# Altium PCB PCB1_done2.PcbDoc (part 1 of 3) (continued)
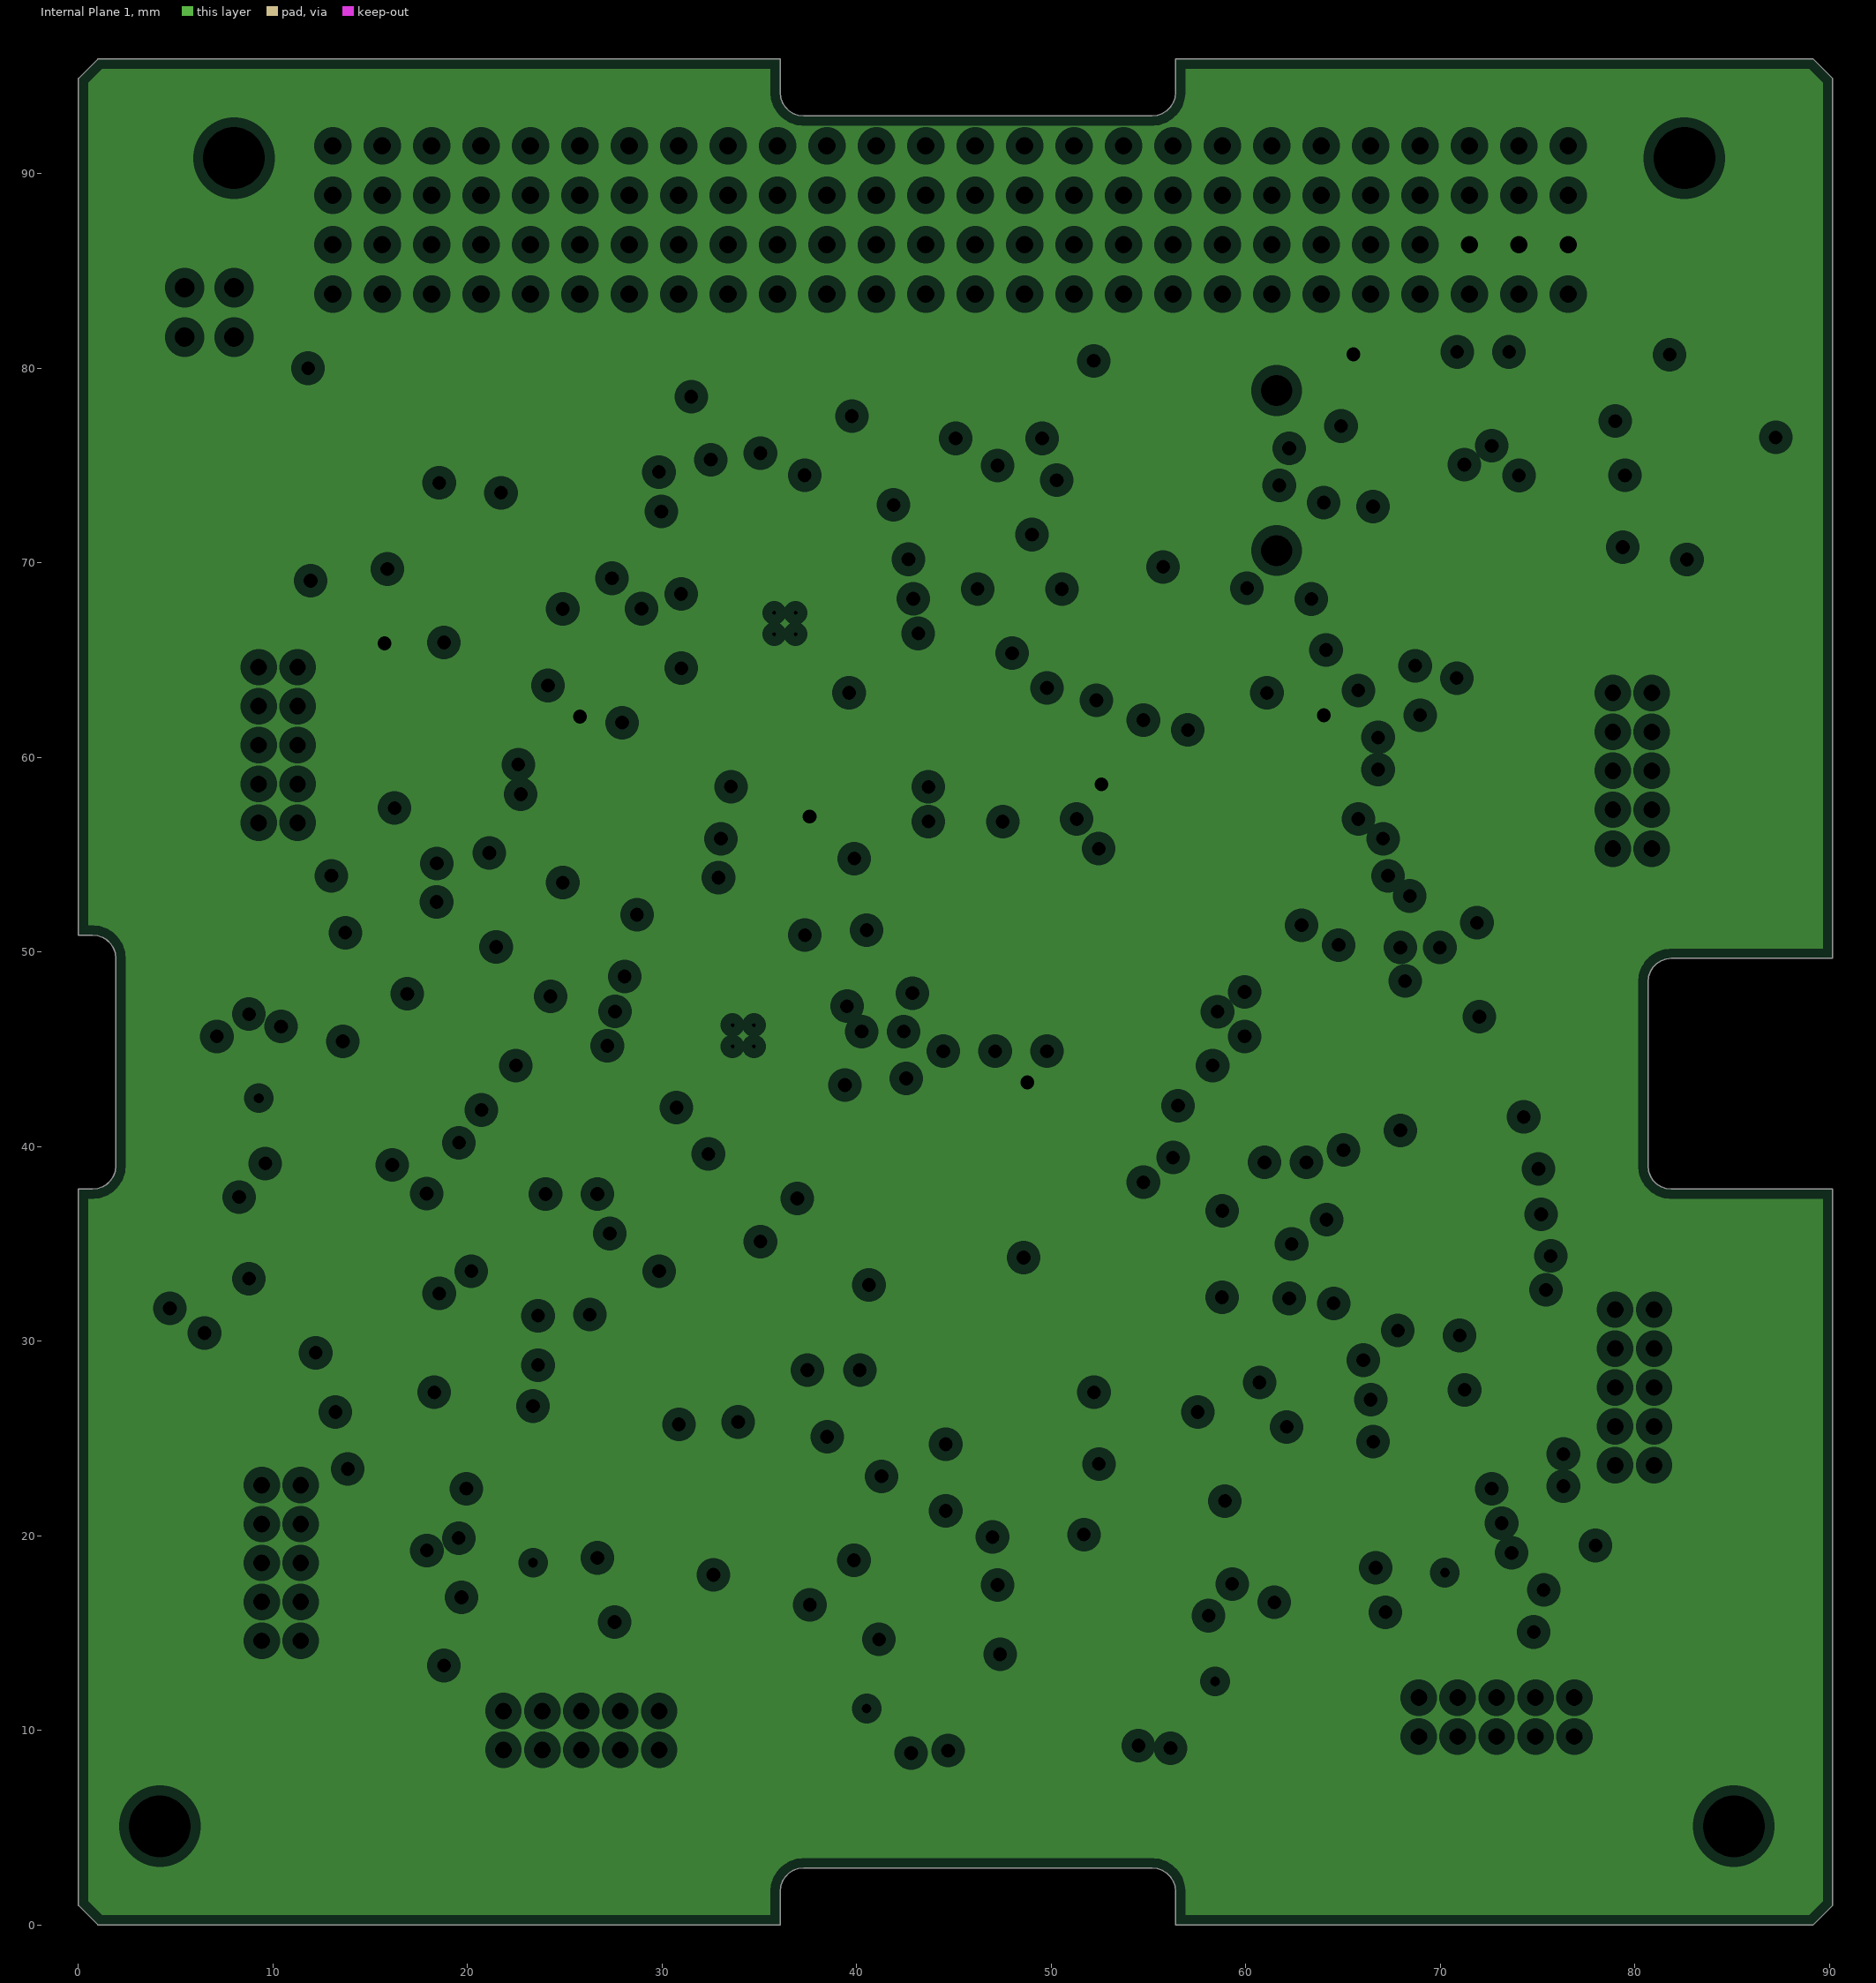
[diagram p4: Internal Plane 1, clearances drawn from the general rule]
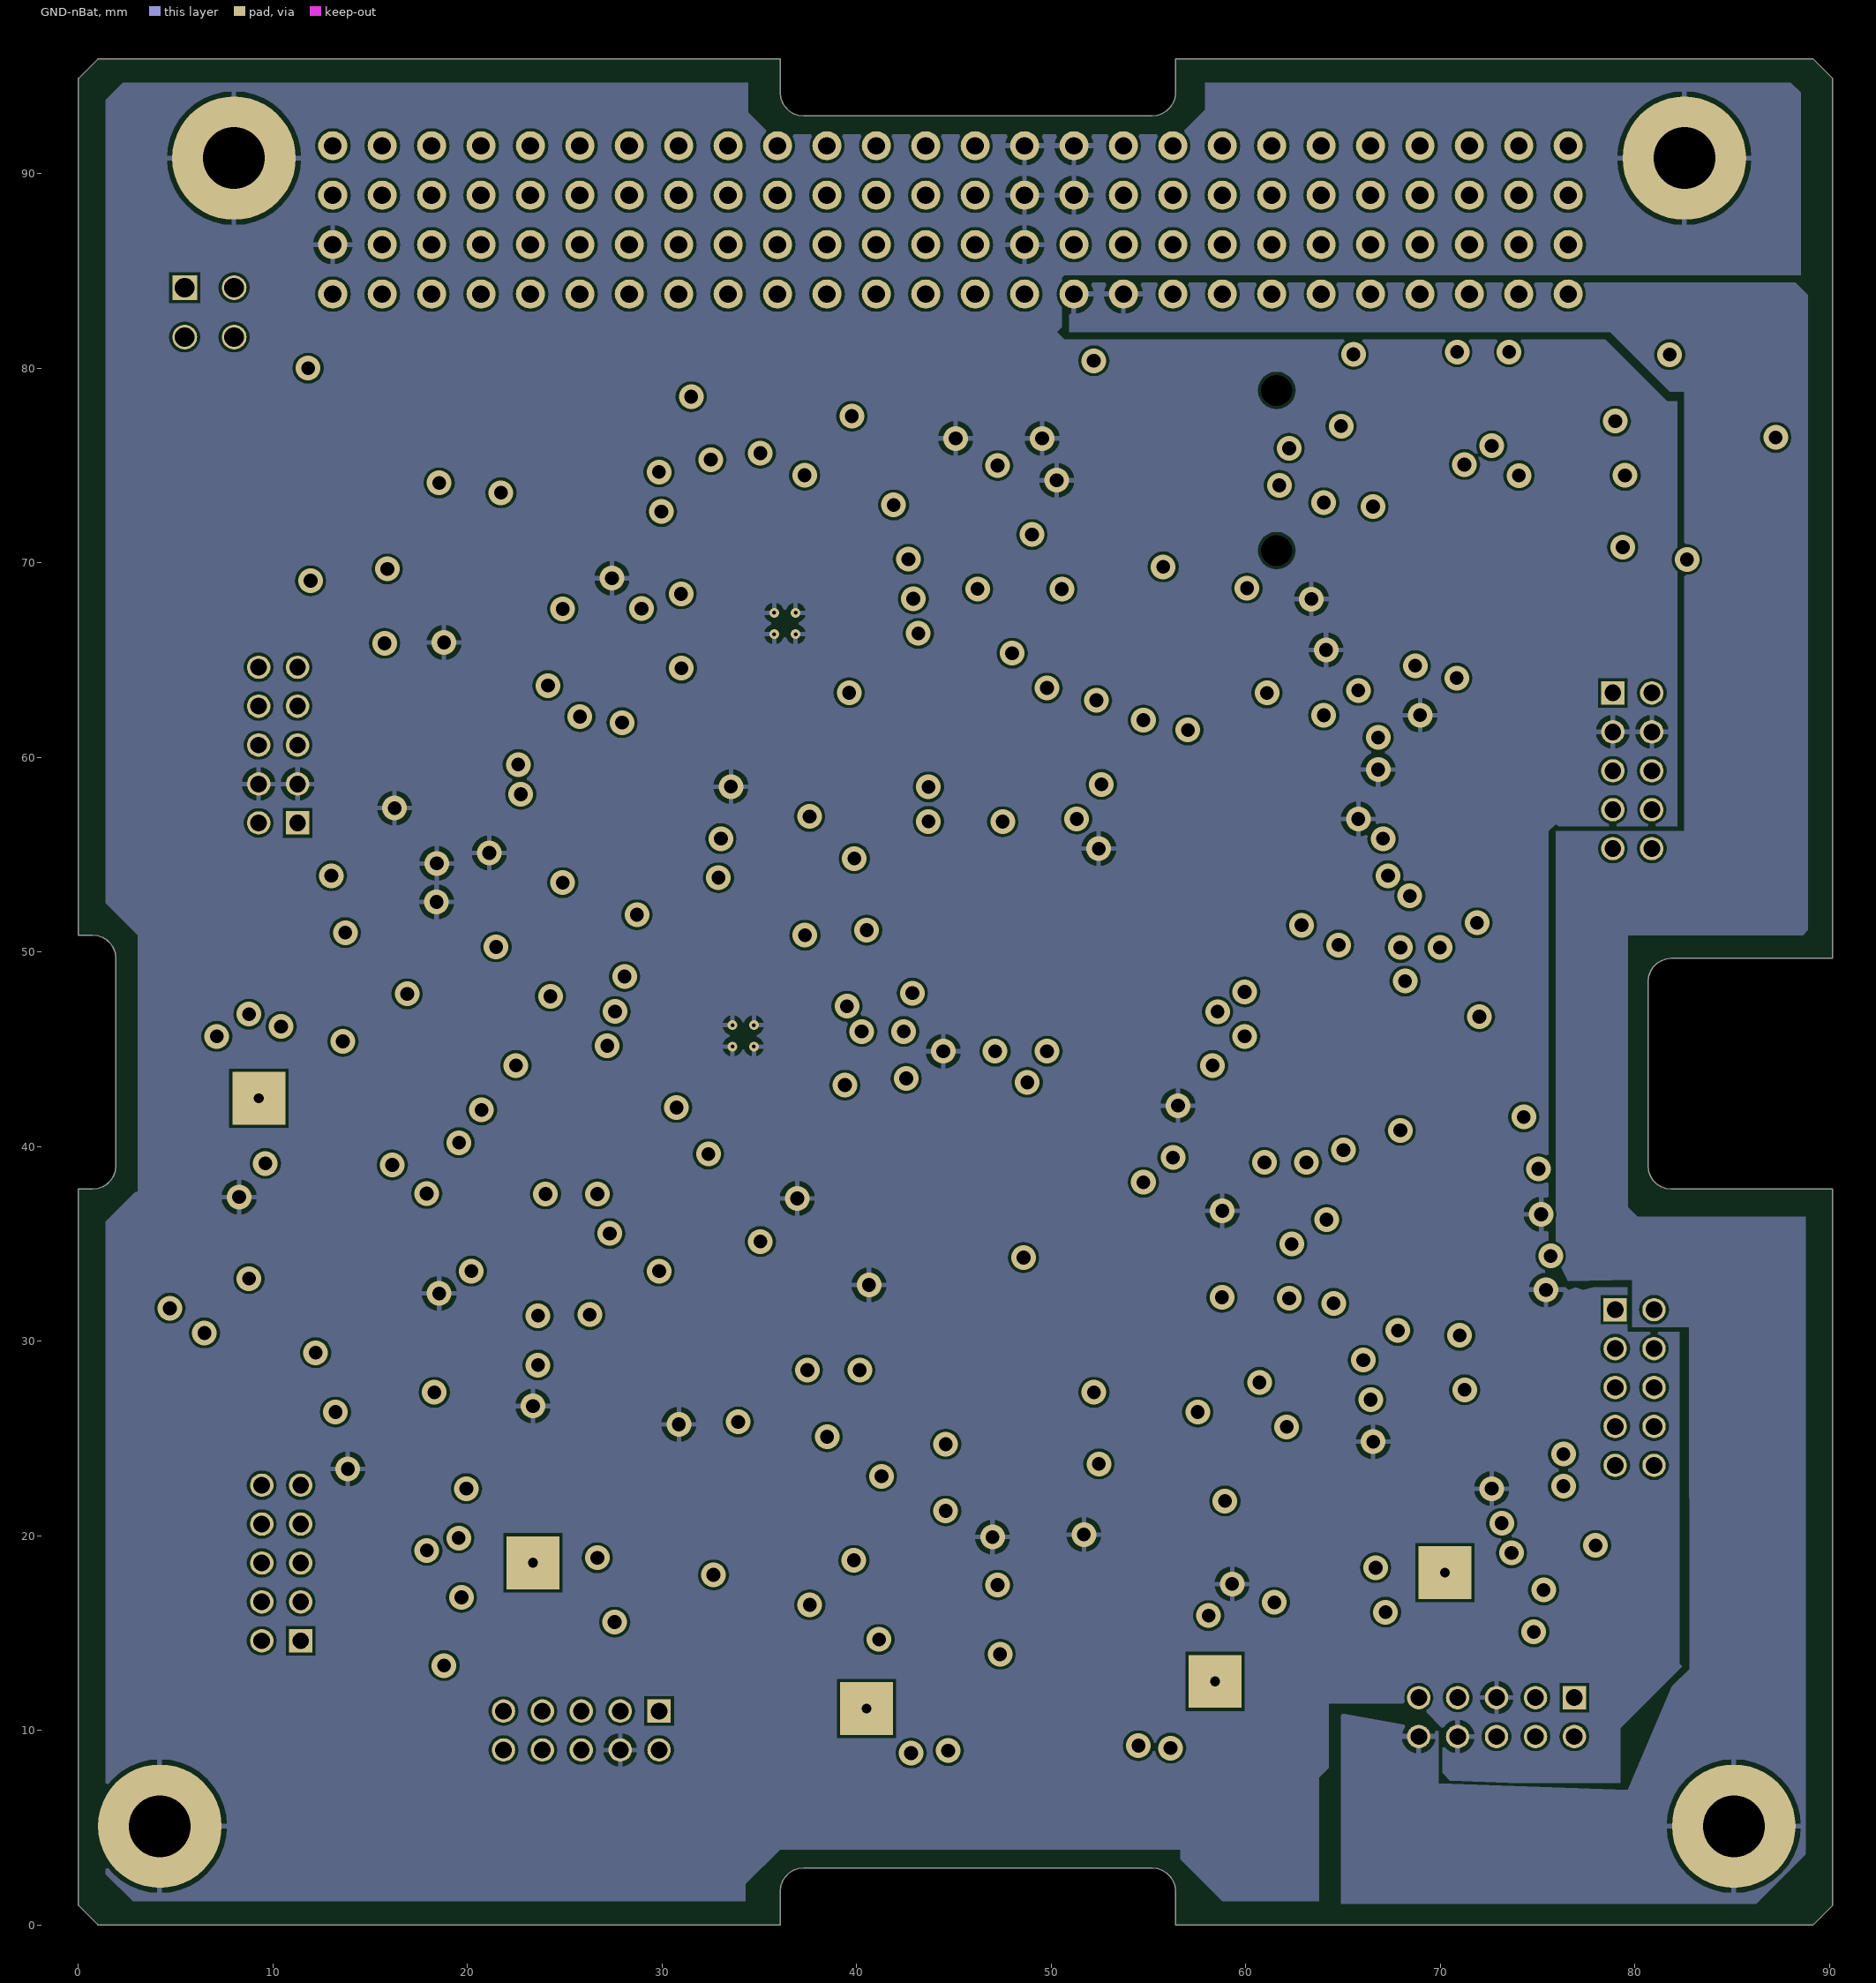
[diagram p5: GND-nBat]
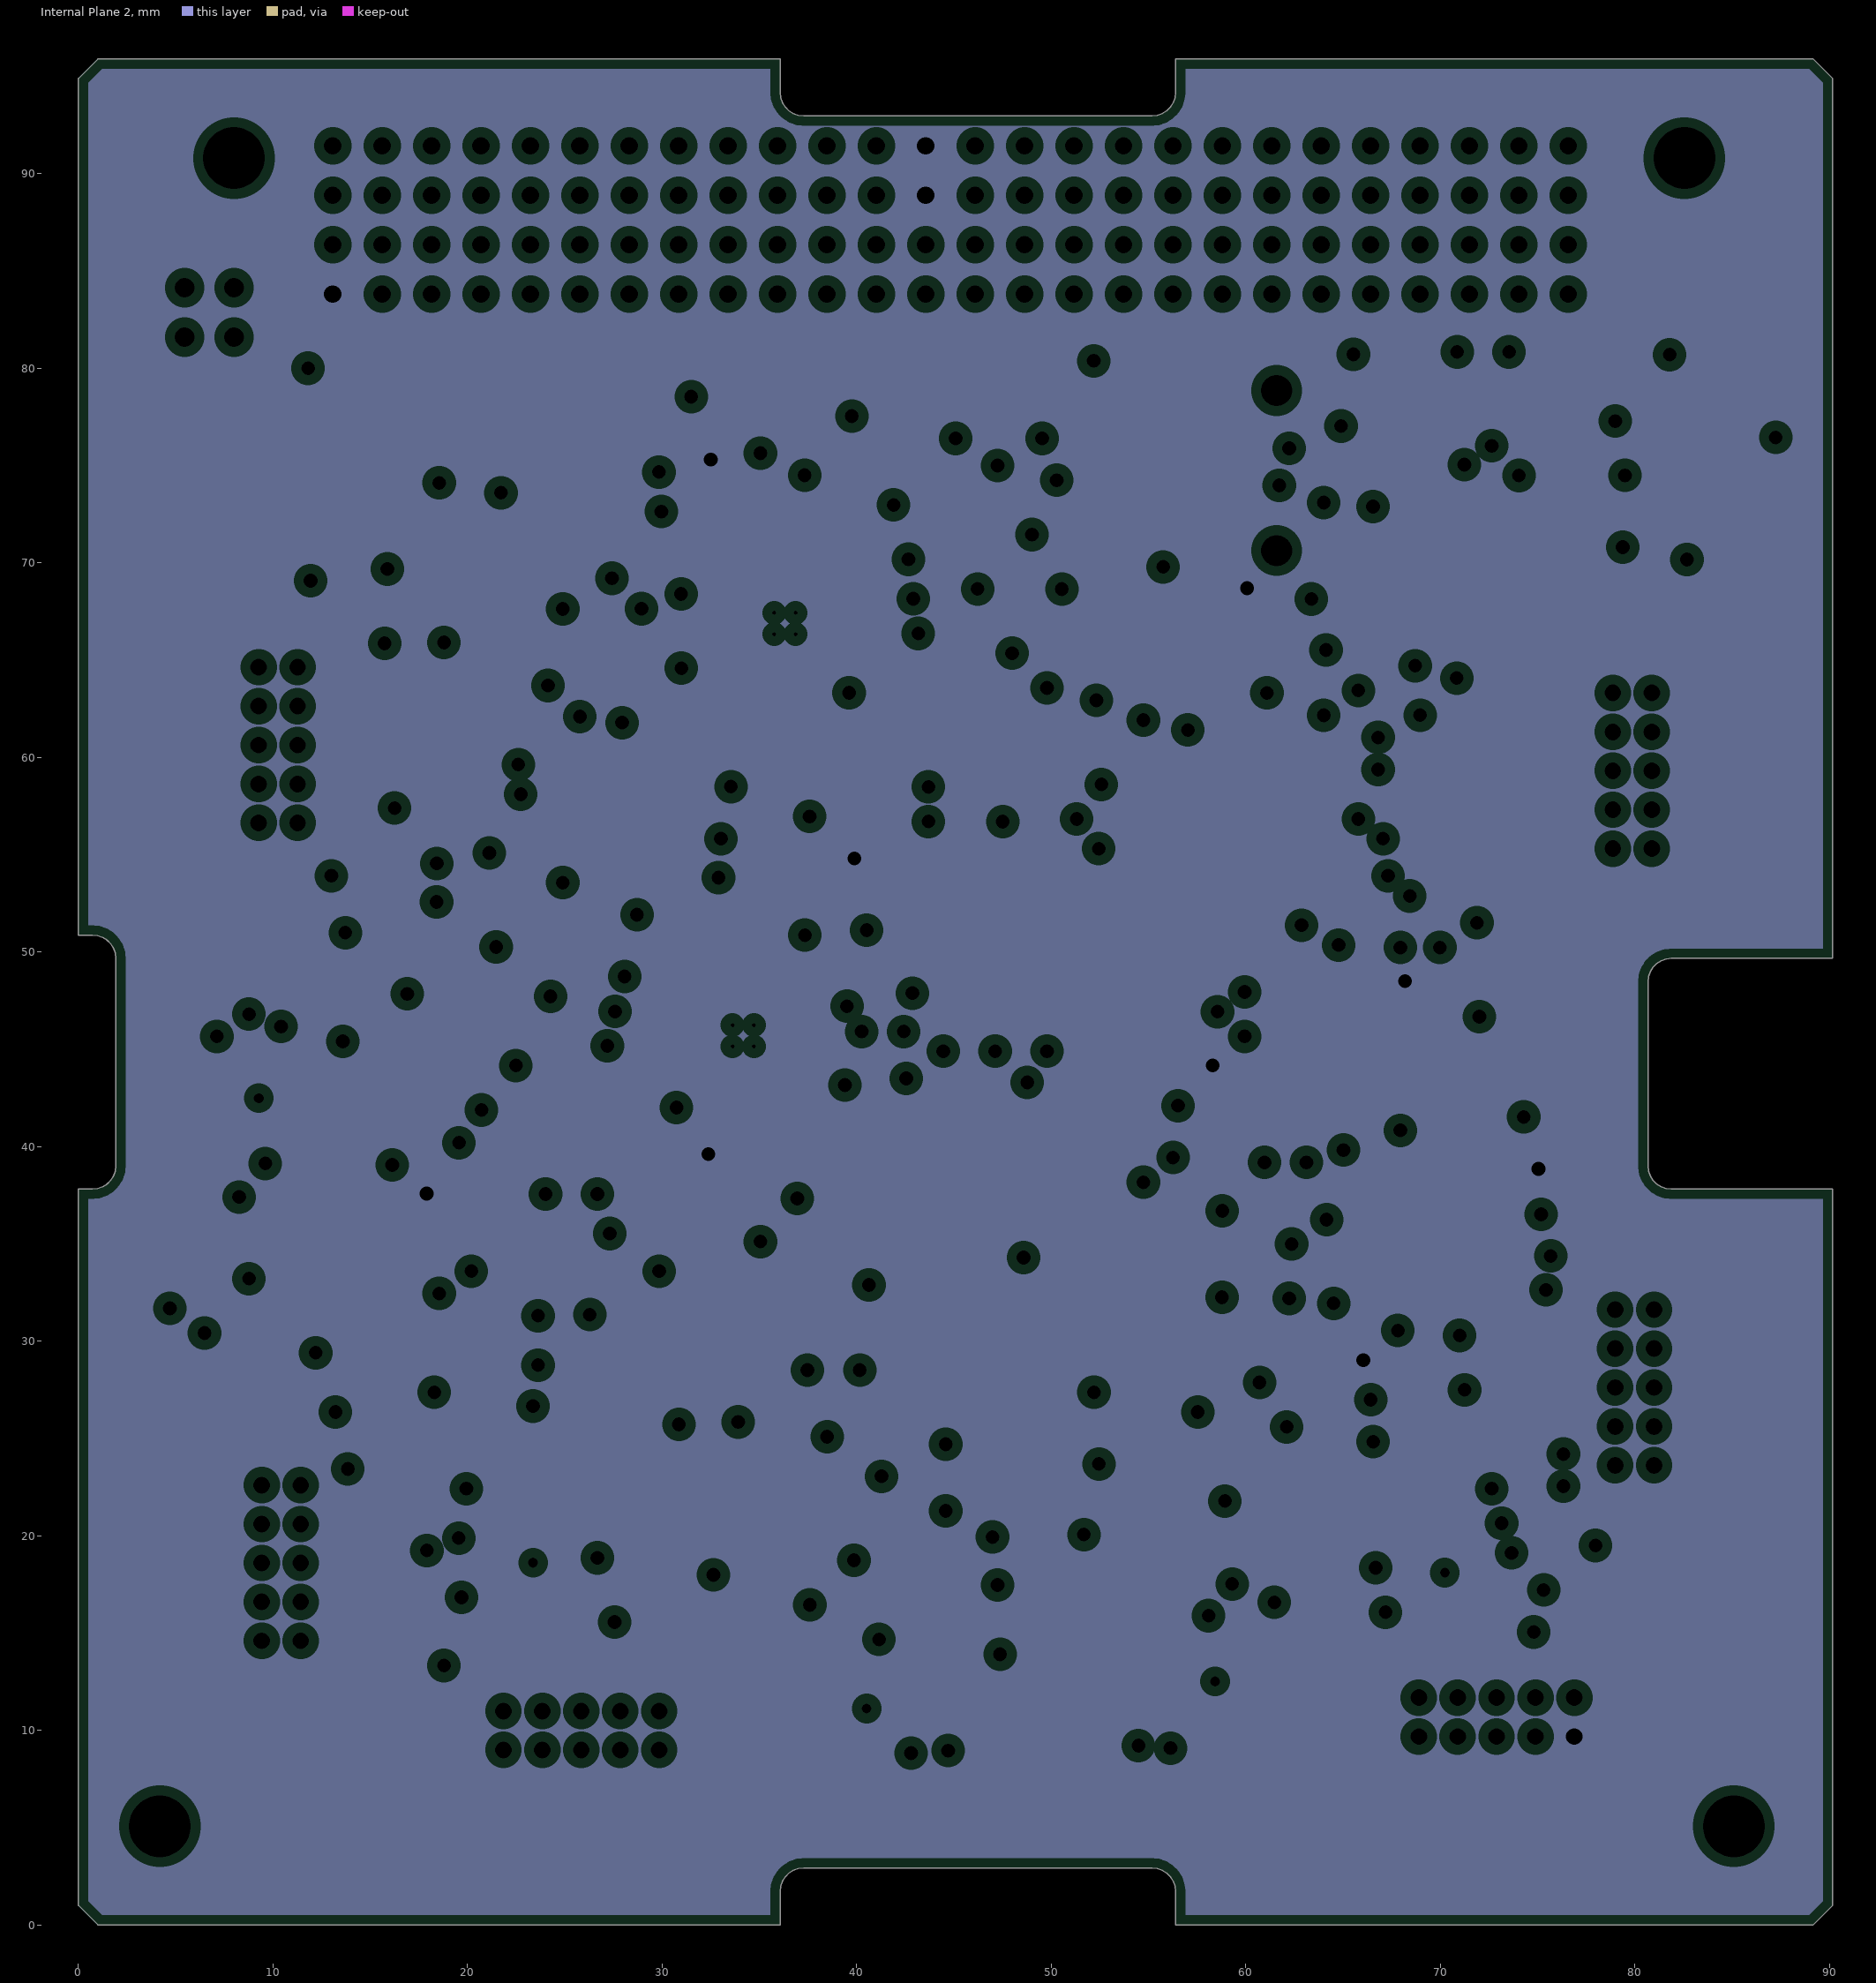
[diagram p6: Internal Plane 2, clearances drawn from the general rule]
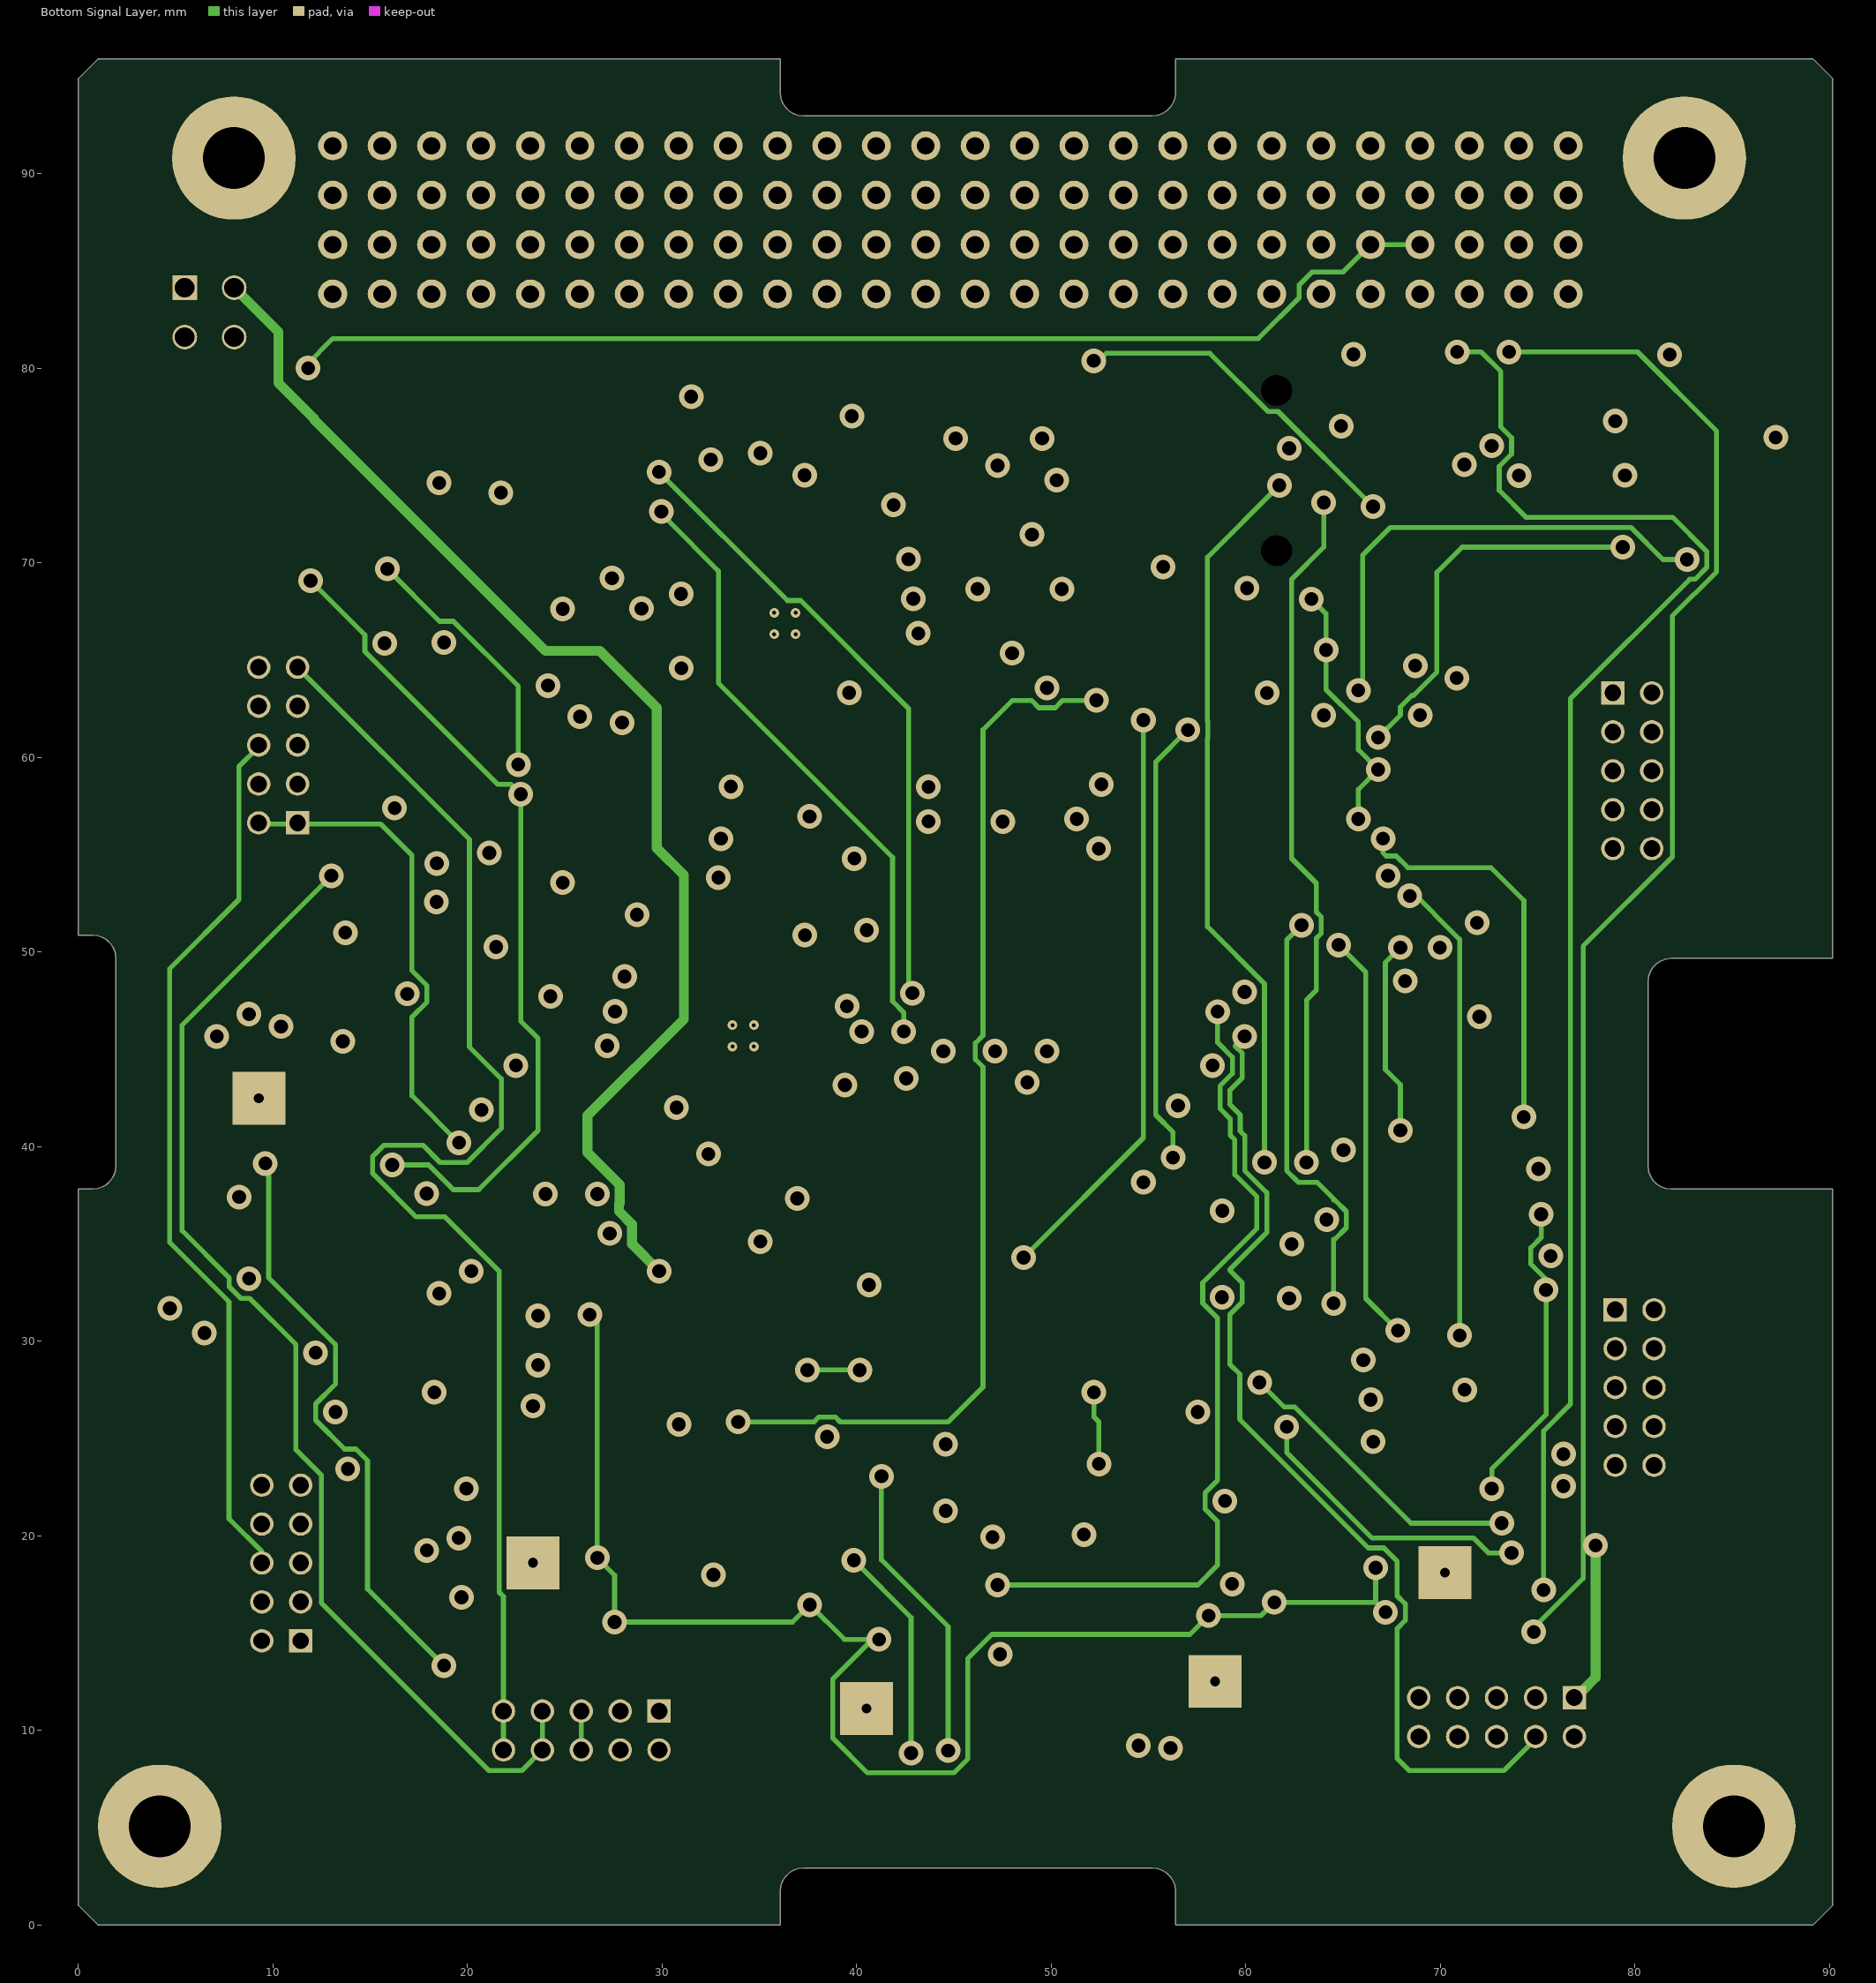
[diagram p7: Bottom Signal Layer]

## Layer stack, top to bottom
Top Solder: solder mask 0.0102, Solder Resist, Dk 3.5
Top Layer: signal copper 0.0356
Dielectric 1: core 0.1828, FR-4, Dk 4.2
Top Signal Layer: signal copper 0.036
Dielectric 6: core 0.1828, Dk 4.2
Vbat-chrg: signal copper 0.036
Dielectric 2: core 0.1828, Dk 4.2
Internal Plane 1: plane copper 0.036, net 3V3
Dielectric 7: core 0.1828, Dk 4.2
GND-nBat: signal copper 0.036
Dielectric 3: core 0.1828, Dk 4.2
Internal Plane 2: plane copper 0.036, net 5V
Dielectric 8: core 0.1828, Dk 4.2
Bottom Signal Layer: signal copper 0.036
Dielectric 5: core 0.1828, Dk 4.2
Bottom Layer: signal copper 0.0356
Bottom Solder: solder mask 0.0102, Solder Resist, Dk 3.5

## Board outline
89.178,95.898 56.398,95.898 56.398,94.178 56.368,93.911 56.279,93.657 56.136,93.43 55.946,93.24 55.719,93.097 55.465,93.008 55.198,92.978 37.278,92.978 37.011,93.008 36.757,93.097 36.53,93.24 36.34,93.43 36.197,93.657 36.108,93.911 36.078,94.178 36.078,95.898 1.008,95.898 0.008,94.898 0.008,50.878 0.728,50.878 0.995,50.848 1.249,50.759 1.476,50.616 1.666,50.426 1.809,50.199 1.898,49.945 1.928,49.678 1.928,39.018 1.898,38.751 1.809,38.497 1.666,38.27 1.476,38.08 1.249,37.937 0.995,37.848 0.728,37.818 0.008,37.818 0.008,1.008 1.008,0.008 36.078,0.008 36.078,1.728 36.108,1.995 36.197,2.249 36.34,2.476 36.53,2.666 36.757,2.809 37.011,2.898 37.278,2.928 55.198,2.928 55.465,2.898 55.719,2.809 55.946,2.666 56.136,2.476 56.279,2.249 56.368,1.995 56.398,1.728 56.398,0.008 89.178,0.008 90.178,1.008 90.178,37.818 81.878,37.818 81.611,37.848 81.357,37.937 81.13,38.08 80.94,38.27 80.797,38.497 80.708,38.751 80.678,39.018 80.678,48.478 80.708,48.745 80.797,48.999 80.94,49.226 81.13,49.416 81.357,49.559 81.611,49.648 81.878,49.678 90.178,49.678 90.178,94.898

## Design rules (kind name [scope] priority, off if disabled: settings)
Clearance [All] p1: gap=0.152
PlaneClearance [All] p1: clearance=0.508
PlaneConnect [All] p1: planeconnectstyle=Relief reliefexpansion=0.508 reliefentries=4 reliefconductorwidth=0.254 reliefairgap=0.254
PolygonConnect [All] p1: connectstyle=Relief reliefconductorwidth=0.254 reliefentries=4 polygonreliefangle="90 Angle" airgapwidth=0.254
RoutingVias [All] p1: holewidth=0.711 width=1.27 viastyle="Through Hole" minholewidth=0.711 minwidth=1.27 maxholewidth=0.711 maxwidth=1.27
SolderMaskExpansion [All] p1: expansion=0.102
Width [All] p1: maxlimit=0.254 minlimit=0.254 preferedwidth=0.254
27 further rules are at their usual default settings.

## Classes and differential pairs
net class X1_Nets: NetC1_2 NetC2_2
net class U85_Nets: 5V ARRAYNX.4.NEG NetQ88_1 NetQ88_3 NetR817_1 NetU85_4 SC5 SD5
net class U84_Nets: 5V ARRAYNX.4.NEG NetQ87_1 NetQ87_3 NetR814_1 NetU84_4 SC5 SD5
net class U83_Nets: 5V ARRAYNX.4.NEG NetQ86_1 NetQ86_3 NetR811_1 NetU83_4 NetU83_7 SC5
net class U82_Nets: 5V ARRAYNX.4.NEG ARRAYNZ.10.COM NetC82_2 NetC84_2 NetC86_1 NetC87_1 NetC87_2 NetC88_1 NetC88_2 NetQ82_1 NetQ83_1 NetQ84_1 NetQ85_1 NetR82_1 NetR84_1 NetR88_2 NetR89_2 NetU82_9
net class U75_Nets: 3V3 ARRAYNX.4.NEG NetQ78_1 NetQ78_3 NetR717_1 NetU75_4 SC3 SD3
net class U74_Nets: 3V3 ARRAYNX.4.NEG NetQ77_1 NetQ77_3 NetR714_1 NetU74_4 SC3 SD3
net class U73_Nets: 3V3 ARRAYNX.4.NEG NetQ76_1 NetQ76_3 NetR711_1 NetU73_4 NetU73_6 SD3
net class U72_Nets: 3V3 ARRAYNX.4.NEG ARRAYNZ.10.COM NetC72_2 NetC74_2 NetC76_1 NetC77_1 NetC77_2 NetC78_1 NetC78_2 NetQ72_1 NetQ73_1 NetQ74_1 NetQ75_1 NetR72_1 NetR74_1 NetR78_2 NetR79_2 NetU72_9
net class U70_Nets: "5V USB" ARRAYNX.4.NEG ARRAYNZ.8.NC NetR70_1 NetU70_3 NetU70_4 NetU70_5 NetU70_11 NetU70_12 NetU70_13 NetU70_14 VCHRG
net class U52_Nets: ARRAYNX.4.NEG NetC55_1 NetC56_2 NetC58_1 NetR54_1 NetR55_1 NetR56_1 NetU52_3 NetU52_4 NetU52_8 NetU52_14 VCHRG
net class U51_Nets: ARRAYNX.4.NEG NetC52_1 NetC54_1 NetCf51_1 NetCf51_2 NetCout5_2 NetLx5_2 NetU51_2
net class U42_Nets: ARRAYNX.4.NEG NetC45_1 NetC46_2 NetC48_1 NetR44_1 NetR45_1 NetR46_1 NetU42_3 NetU42_4 NetU42_8 NetU42_14 VCHRG
net class U41_Nets: ARRAYNX.4.NEG NetC42_1 NetC44_1 NetCf41_1 NetCf41_2 NetCout4_2 NetLx4_2 NetU41_2
net class U33_Nets: 5V ARRAYNX.4.NEG ARRAYNY.2.POS ARRAYNY.7.SDA ARRAYNY.9.SCL ARRAYY.2.POS NetR9_2 NetU33_2 NetU33_6 NetU33_9 NetU33_12 NetU33_13 NetU33_16 SOLARY
net class U32_Nets: ARRAYNX.4.NEG NetC35_1 NetC36_2 NetC38_1 NetR34_1 NetR35_1 NetR36_1 NetU32_8 NetU32_14 ST1Y ST2Y VCHRG
net class U31_Nets: ARRAYNX.4.NEG NetC32_1 NetC34_1 NetCf31_1 NetCf31_2 NetCout3_2 NetLx3_2 NetU31_2
net class U22_Nets: ARRAYNX.4.NEG NetC25_1 NetC26_2 NetC28_1 NetR24_1 NetR25_1 NetR26_1 NetU22_8 NetU22_14 ST1NX ST2NX VCHRG
net class U21_Nets: ARRAYNX.4.NEG NetC22_1 NetC24_1 NetCf21_1 NetCf21_2 NetCout2_2 NetLx2_2 NetU21_2
net class U18_Nets: 5V ARRAYNX.1.POS ARRAYNX.4.NEG ARRAYNX.7.SDA ARRAYNX.10.SCL ARRAYX.1.POS NetU18_2 NetU18_5 NetU18_9 NetU18_12 NetU18_16 SOLARNX SOLARX
net class U13_Nets: 5V ARRAYNX.4.NEG ARRAYNZ.1.POS ARRAYNZ.7.SDA ARRAYNZ.9.SCL FPXRTN NetU13_2 NetU13_5 NetU13_6 NetU13_9 NetU13_12 NetU13_14 NetU13_16 SOLARNZ
net class U12_Nets: ARRAYNX.4.NEG NetC15_1 NetC16_2 NetC18_1 NetR14_1 NetR15_1 NetR16_1 NetU12_8 NetU12_14 ST1X ST2X VCHRG
net class U11_Nets: ARRAYNX.4.NEG NetC12_1 NetC14_1 NetCf11_1 NetCf11_2 NetCout1_2 NetLx1_2 NetU11_2
net class U2_Nets: 3V3 ARRAYNX.4.NEG ARRAYNX.7.SDA ARRAYNX.10.SCL ARRAYNY.7.SDA ARRAYNY.9.SCL ARRAYNZ.7.SDA ARRAYNZ.9.SCL RESET SC3 SC4 SC5 SC6 SC7 SCA SD3 SD4 SD5 SD6 SD7 SDA
net class U1_Nets: 3V3 ARRAYNX.4.NEG "DSR MHX" IO4 IO5 NetC1_2 NetC2_2 NetU1_3 NetU1_4 NetU1_5 NetU1_6 NetU1_13 NetU1_20 NetU1_21 NetU1_22 NetU1_23 NetU1_24 NetU1_25 NetU1_26 NetU1_27 NetU1_28 NetU1_29 NetU1_30 NetU1_31 NetU1_32 NetU1_33 NetU1_34 NetU1_35 NetU1_36 NetU1_43 RESET RST SCA SDA ST1NX ST1NY ST1NZ ST1X ST1Y ST2NX ST2NY ST2NZ ST2X ST2Y STLINK-SWIM
net class SWITCHES: ARRAYNX.4.NEG SWITCHES.2.COM SWITCHES.3.NC SWITCHES.4.NC SWITCHES.6.NO SWITCHES.7.COM SWITCHES.8 SWITCHES.8.NC SWITCHES.9.NO SWITCHES.10 SWITCHES.10.COM
net class SWITCHES.10.COM: SWITCHES.10.COM.COM
net class SWITCHES.8.NC: ARRAYNX.4.NEG
net class SWITCHES.7.COM: SWITCHES.7.COM
net class SWITCHES.3.NC: SWITCHES.3.NC
net class Rs5_Nets: NetC55_1 NetCout5_2
net class Rs4_Nets: NetC45_1 NetCout4_2
net class Rs3_Nets: NetC35_1 NetCout3_2
net class Rs2_Nets: NetC25_1 NetCout2_2
net class Rs1_Nets: NetC15_1 NetCout1_2
net class Rf52_Nets: NetC55_1 NetCf51_2
net class Rf51_Nets: NetCf51_1 NetCout5_2